# Allegro board 6089-103-RevA_73.brd (continued)
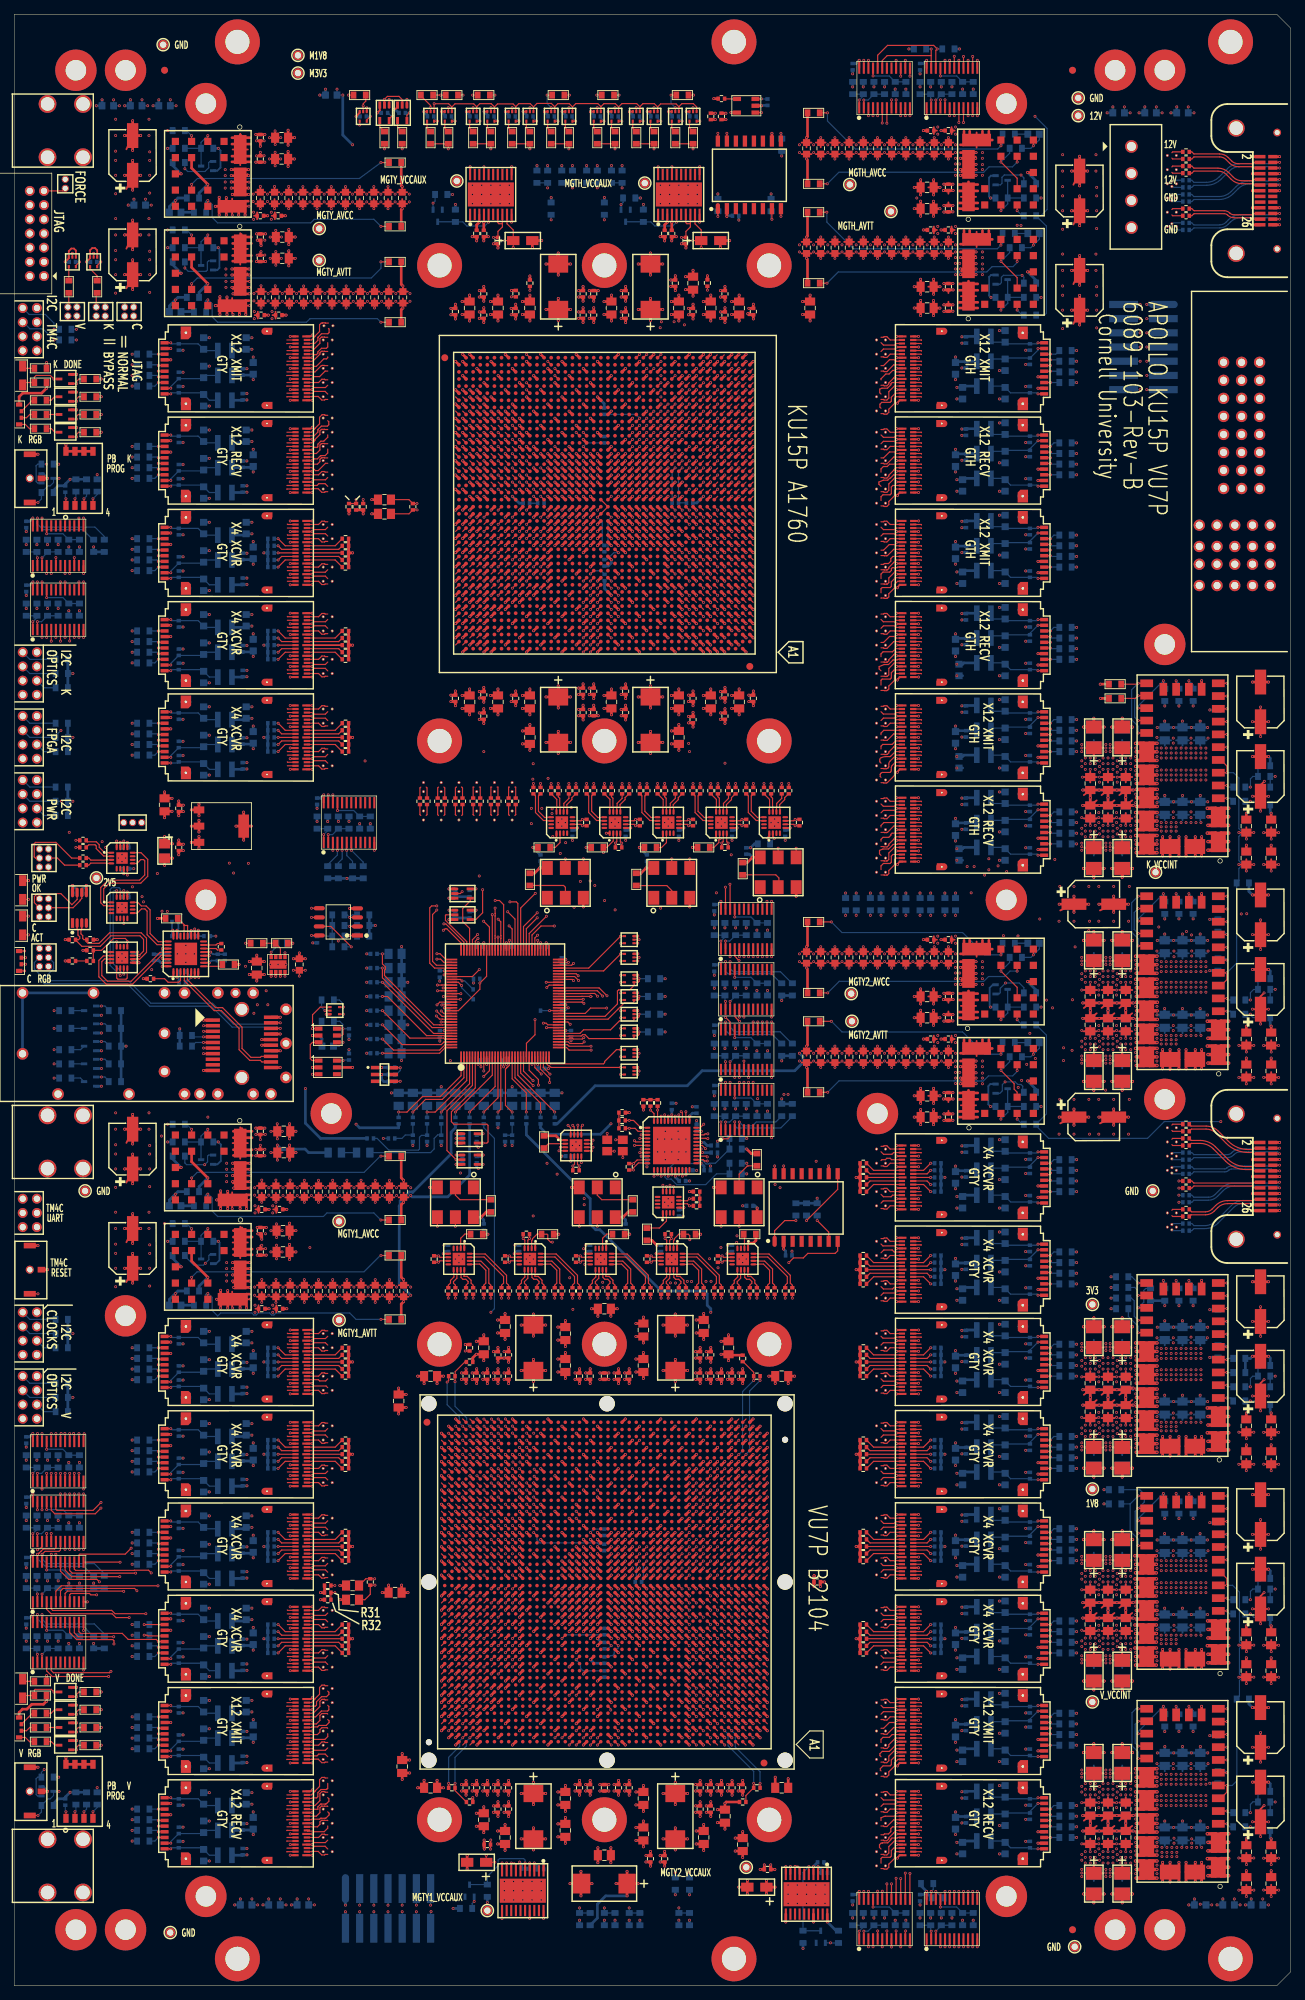
[diagram p0: board, top side]
## Routing (per net, layer and track width the routed paths; a pad name or vN(x,y) marks a point on that pad's centre or on a via; arc(x,y) is an arc through that point) (continued)
NK_FF3_XMIT2: length 35.5
  TOP w0.165: 127.9,229.85 127.85,229.9 U104.B14 ; U65.AR7 98.17,222.87
  SIG3 w0.083: 127.9,229.85 127.69,230.06 124.58,230.06 arc(124.13,229.97) 123.74,229.71 123.21,229.17 arc(122.75,228.87) 122.21,228.76 119.07,228.76 arc(119.04,228.75) 119.03,228.72 arc(119.02,228.68) 118.98,228.67 118.74,228.67 arc(118.71,228.68) 118.7,228.72 arc(118.69,228.75) 118.66,228.76 118.41,228.76 arc(118.38,228.75) 118.37,228.72 arc(118.36,228.68) 118.33,228.67 118.08,228.67 arc(118.05,228.68) 118.04,228.72 arc(118.03,228.75) 118,228.76 117.75,228.76 arc(117.72,228.75) 117.71,228.72 arc(117.7,228.68) 117.67,228.67 117.42,228.67 arc(117.39,228.68) 117.38,228.72 arc(117.37,228.75) 117.33,228.76 114.1,228.76 arc(112.36,228.41) 110.89,227.43 107.65,224.2 arc(106.68,223.55) 105.54,223.32 97.9,223.32 arc(97.86,223.31) 97.84,223.29 97.8,223.26 arc(97.78,223.23) 97.78,223.2 97.78,222.96 97.86,222.87 98.17,222.87
NK_FF3_XMIT3: length 34.8
  TOP w0.165: U104.A14 123.49,229.9 123.03,229.44 122.64,229.44 122.56,229.52 122.2,229.52 ; U65.AP9 96.17,221.87
  SIG1 w0.083: 122.2,229.52 121.53,229.52 arc(121.43,229.54) 121.35,229.59 121.2,229.74 arc(121.13,229.78) 121.06,229.8 120.44,229.8 arc(120.4,229.79) 120.36,229.77 118.42,227.82 arc(118.39,227.76) 118.42,227.7 arc(118.44,227.64) 118.42,227.58 118.31,227.47 arc(118.25,227.44) 118.19,227.47 arc(118.13,227.49) 118.06,227.47 117.95,227.36 arc(117.93,227.3) 117.95,227.24 arc(117.98,227.18) 117.95,227.12 117.84,227 arc(117.78,226.98) 117.72,227 arc(117.66,227.03) 117.6,227 114.22,223.63 arc(113.88,223.4) 113.48,223.32 96.03,223.32 arc(96,223.31) 95.97,223.29 95.88,223.2 arc(95.84,223.15) 95.83,223.09 95.83,222.19 96.15,221.87 96.17,221.87
NK_FF3_XMIT4: length 33.3
  TOP w0.165: 127.9,228.35 127.85,228.4 U104.B11 ; U65.AP5 100.17,221.87
  SIG3 w0.083: 127.9,228.35 127.75,228.5 124.84,228.5 arc(124.41,228.41) 124.05,228.17 123.06,227.18 arc(122.64,226.9) 122.15,226.8 119.28,226.8 arc(119.25,226.79) 119.23,226.75 arc(119.22,226.72) 119.18,226.7 118.95,226.7 arc(118.92,226.72) 118.9,226.75 arc(118.89,226.79) 118.85,226.8 118.62,226.8 arc(118.59,226.79) 118.57,226.75 arc(118.56,226.72) 118.52,226.7 118.29,226.7 arc(118.26,226.72) 118.24,226.75 arc(118.23,226.79) 118.19,226.8 117.96,226.8 arc(117.93,226.79) 117.91,226.75 arc(117.9,226.72) 117.86,226.7 117.63,226.7 arc(117.6,226.72) 117.58,226.75 arc(117.57,226.79) 117.53,226.8 113.91,226.8 arc(112.56,226.53) 111.41,225.77 108.78,223.13 arc(107.88,222.53) 106.82,222.32 99.9,222.32 arc(99.86,222.31) 99.84,222.29 99.8,222.26 arc(99.78,222.23) 99.78,222.2 99.78,221.96 99.86,221.87 100.17,221.87
NK_FF3_XMIT5: length 32.7
  TOP w0.165: U104.A11 123.99,228.4 123.03,227.44 122.64,227.44 122.56,227.52 122.2,227.52 ; U65.AN7 98.17,220.87
  SIG1 w0.083: 98.17,220.87 97.86,220.87 97.78,220.96 97.78,222.18 arc(97.79,222.22) 97.81,222.25 97.83,222.27 97.83,222.27 arc(97.88,222.31) 97.94,222.32 113.86,222.32 arc(114.83,222.51) 115.66,223.06 118.06,225.46 arc(118.1,225.48) 118.14,225.46 arc(118.19,225.44) 118.23,225.46 118.38,225.61 arc(118.39,225.65) 118.38,225.69 arc(118.36,225.74) 118.38,225.78 118.52,225.93 arc(118.57,225.94) 118.61,225.93 arc(118.65,225.91) 118.7,225.93 118.84,226.07 arc(118.86,226.12) 118.84,226.16 arc(118.82,226.2) 118.84,226.25 120.25,227.66 arc(120.42,227.77) 120.62,227.81 121,227.81 arc(121.12,227.79) 121.22,227.72 121.34,227.6 arc(121.43,227.54) 121.54,227.52 122.2,227.52
NK_FF3_XMIT6: length 37.7
  TOP w0.165: 127.9,226.85 127.85,226.9 U104.B8 ; U65.AM9 96.17,219.87
  SIG3 w0.083: 96.17,219.87 95.86,219.87 95.78,219.96 95.78,220.1 arc(95.78,220.13) 95.8,220.16 95.84,220.2 arc(95.86,220.21) 95.9,220.22 98.16,220.22 arc(98.35,220.26) 98.52,220.37 98.59,220.44 arc(98.69,220.59) 98.73,220.78 98.73,220.98 arc(98.74,221.03) 98.76,221.06 98.92,221.22 arc(99.01,221.28) 99.12,221.3 107.84,221.3 arc(108.98,221.53) 109.94,222.17 111.84,224.07 arc(112.62,224.59) 113.54,224.78 117.11,224.78 arc(117.15,224.76) 117.16,224.73 arc(117.18,224.69) 117.22,224.68 117.44,224.68 arc(117.48,224.69) 117.49,224.73 arc(117.51,224.76) 117.55,224.78 117.77,224.78 arc(117.81,224.76) 117.82,224.73 arc(117.84,224.69) 117.88,224.68 118.1,224.68 arc(118.14,224.69) 118.15,224.73 arc(118.17,224.76) 118.21,224.78 118.43,224.78 arc(118.47,224.76) 118.48,224.73 arc(118.5,224.69) 118.54,224.68 118.76,224.68 arc(118.8,224.69) 118.81,224.73 arc(118.83,224.76) 118.87,224.78 122.8,224.78 arc(123.57,224.93) 124.23,225.37 125.52,226.66 arc(125.91,226.92) 126.37,227.01 127.74,227.01 127.9,226.85
NK_FF3_XMIT7: length 30
  TOP w0.165: U104.A8 124.35,226.9 124.24,226.79 124.23,226.79 124,226.56 124,226.55 123.3,225.85 123.3,225.71 123.03,225.44 122.64,225.44 122.56,225.52 122.2,225.52 ; U65.AM5 100.17,219.87
  SIG1 w0.083: 100.17,219.87 99.86,219.87 99.78,219.96 99.78,220.1 arc(99.78,220.13) 99.8,220.16 99.84,220.2 arc(99.86,220.21) 99.9,220.22 114.29,220.22 arc(114.78,220.32) 115.19,220.59 117.81,223.21 arc(117.86,223.23) 117.91,223.21 arc(117.95,223.19) 118,223.21 118.14,223.35 arc(118.16,223.4) 118.14,223.45 118.14,223.45 arc(118.12,223.49) 118.14,223.54 118.28,223.68 arc(118.32,223.7) 118.37,223.68 arc(118.42,223.66) 118.47,223.68 118.61,223.82 arc(118.63,223.87) 118.61,223.91 arc(118.59,223.96) 118.61,224.01 120.18,225.58 arc(120.41,225.74) 120.69,225.8 120.97,225.8 arc(121.13,225.76) 121.26,225.67 121.31,225.62 arc(121.42,225.55) 121.54,225.53 122.19,225.53 122.2,225.52
NK_FF3_XMIT8: length 35.3
  TOP w0.165: U65.AL7 98.17,218.87 ; 127.9,225.35 127.85,225.4 U104.B5
  SIG3 w0.083: 98.17,218.87 97.86,218.87 97.78,218.96 97.78,219.1 arc(97.78,219.13) 97.8,219.16 97.84,219.2 arc(97.86,219.21) 97.9,219.22 107.44,219.22 arc(108.98,219.53) 110.3,220.4 111.72,221.83 arc(112.82,222.56) 114.12,222.82 117.45,222.82 arc(117.5,222.8) 117.52,222.76 arc(117.53,222.72) 117.58,222.7 117.78,222.7 arc(117.83,222.72) 117.85,222.76 arc(117.86,222.8) 117.91,222.82 118.11,222.82 arc(118.16,222.8) 118.18,222.76 arc(118.19,222.72) 118.24,222.7 118.44,222.7 arc(118.49,222.72) 118.51,222.76 arc(118.52,222.8) 118.57,222.82 118.77,222.82 arc(118.82,222.8) 118.84,222.76 arc(118.85,222.72) 118.9,222.7 119.1,222.7 arc(119.15,222.72) 119.17,222.76 arc(119.18,222.8) 119.23,222.82 122.44,222.82 arc(123.05,222.94) 123.56,223.29 125.4,225.12 arc(125.83,225.41) 126.34,225.51 127.74,225.51 127.9,225.35
NK_FF3_XMIT9: length 30.8
  TOP w0.165: 122.2,223.52 122.56,223.52 122.64,223.44 123.03,223.44 123.3,223.71 123.3,224.62 124.08,225.4 U104.A5 ; U65.AK5 100.17,217.87
  SIG1 w0.083: 100.17,217.87 99.86,217.87 99.78,217.96 99.78,218.1 arc(99.78,218.13) 99.8,218.16 99.84,218.2 arc(99.86,218.21) 99.9,218.22 114.19,218.22 arc(114.68,218.32) 115.09,218.59 117.58,221.08 arc(117.63,221.1) 117.68,221.08 arc(117.74,221.06) 117.79,221.08 117.92,221.2 arc(117.94,221.26) 117.92,221.31 arc(117.9,221.37) 117.92,221.42 118.04,221.55 arc(118.1,221.57) 118.15,221.55 arc(118.2,221.52) 118.26,221.55 118.38,221.67 arc(118.41,221.73) 118.38,221.78 arc(118.36,221.83) 118.38,221.89 120.14,223.64 arc(120.36,223.79) 120.63,223.85 120.92,223.85 arc(121.08,223.81) 121.22,223.72 121.34,223.6 arc(121.42,223.55) 121.52,223.53 122.19,223.53 122.2,223.52
NK_FF3_XMIT10: length 35.4
  TOP w0.165: 127.9,223.85 127.85,223.9 U104.B2 ; U65.AJ7 98.17,216.87
  SIG3 w0.083: 98.17,216.87 97.86,216.87 97.78,216.96 97.78,217.08 arc(97.79,217.13) 97.82,217.18 97.84,217.2 arc(97.86,217.21) 97.9,217.22 108.19,217.22 arc(109.72,217.53) 111.02,218.4 112.45,219.82 arc(113.27,220.37) 114.25,220.56 117.85,220.56 arc(117.88,220.55) 117.89,220.52 arc(117.91,220.49) 117.94,220.47 118.18,220.47 arc(118.21,220.49) 118.22,220.52 arc(118.24,220.55) 118.27,220.56 118.51,220.56 arc(118.54,220.55) 118.55,220.52 arc(118.57,220.49) 118.6,220.47 118.84,220.47 arc(118.87,220.49) 118.88,220.52 arc(118.9,220.55) 118.93,220.56 119.17,220.56 arc(119.2,220.55) 119.21,220.52 arc(119.23,220.49) 119.26,220.47 119.5,220.47 arc(119.53,220.49) 119.54,220.52 arc(119.56,220.55) 119.59,220.56 122.31,220.56 arc(123.18,220.74) 123.91,221.23 126.56,223.87 arc(126.71,223.98) 126.89,224.01 127.74,224.01 127.9,223.85
NK_FF3_XMIT11: length 30.9
  TOP w0.165: U104.A2 124.32,223.9 124.1,223.68 124.1,223.22 124.1,222.95 123.3,222.15 123.3,221.71 123.03,221.44 122.64,221.44 122.56,221.52 122.2,221.52 ; U65.AH5 100.17,215.87
  SIG1 w0.083: 100.17,215.87 99.86,215.87 arc(99.75,215.95) 99.78,216.07 99.89,216.19 arc(99.93,216.21) 99.97,216.22 101.03,216.22 102.03,216.22 104.17,216.22 arc(104.86,216.23) 105.55,216.24 112.87,216.24 arc(113.8,216.3) 114.71,216.51 arc(114.76,216.52) 114.81,216.54 114.93,216.59 arc(115.42,216.85) 115.86,217.21 117.91,219.27 arc(117.95,219.28) 117.99,219.27 arc(118.03,219.25) 118.07,219.27 118.22,219.42 arc(118.24,219.46) 118.22,219.5 arc(118.21,219.54) 118.22,219.58 118.38,219.73 arc(118.42,219.75) 118.46,219.73 arc(118.49,219.72) 118.53,219.73 118.69,219.89 arc(118.71,219.93) 118.69,219.97 arc(118.67,220) 118.69,220.04 120.32,221.67 arc(120.48,221.78) 120.67,221.82 120.89,221.82 arc(121.07,221.78) 121.23,221.68 121.27,221.64 arc(121.4,221.55) 121.56,221.52 122.2,221.52
NK_FF4_RECV0: length 38
  TOP w0.165: U65.H42 62.23,194.93 ; U24.B18 38.51,171.9
  SIG1 w0.083: 62.23,194.93 62.54,194.93 62.62,195.01 62.62,195.28 arc(62.6,195.34) 62.54,195.37 61.38,195.37 arc(61.34,195.36) 61.3,195.35 arc(61.18,195.3) 61.07,195.22 49.51,183.66 arc(49.49,183.6) 49.51,183.55 arc(49.53,183.49) 49.51,183.44 49.39,183.32 arc(49.33,183.29) 49.28,183.32 arc(49.22,183.34) 49.16,183.32 49.04,183.19 arc(49.02,183.14) 49.04,183.08 arc(49.07,183.03) 49.04,182.97 48.92,182.85 arc(48.86,182.83) 48.81,182.85 arc(48.75,182.87) 48.7,182.85 46.66,180.81 arc(46.28,180.25) 46.15,179.58 46.15,178.48 arc(46,177.74) 45.58,177.11 41.11,172.63 arc(40.48,172.22) 39.75,172.07 38.68,172.07 38.51,171.9
NK_FF4_RECV1: length 38.8
  TOP w0.165: U24.A18 42.91,171.9 43.37,171.44 43.76,171.44 43.84,171.52 44.2,171.52 ; U65.G40 64.23,193.93
  SIG1 w0.083: 64.23,193.93 64.54,193.93 64.62,194.01 64.62,194.29 arc(64.6,194.34) 64.54,194.37 62.17,194.37 arc(61.77,194.27) 61.44,194.04 50.84,183.44 arc(50.82,183.39) 50.84,183.34 arc(50.87,183.29) 50.84,183.23 50.72,183.1 arc(50.66,183.08) 50.61,183.1 arc(50.56,183.13) 50.51,183.1 50.38,182.98 arc(50.36,182.92) 50.38,182.87 arc(50.4,182.82) 50.38,182.77 50.25,182.64 arc(50.2,182.62) 50.14,182.64 arc(50.09,182.66) 50.04,182.64 47.61,180.21 arc(47.19,179.59) 47.05,178.86 47.05,172.96 arc(46.97,172.54) 46.73,172.19 46.57,172.03 arc(46.32,171.86) 46.02,171.8 45.35,171.8 45.07,171.52 44.2,171.52
NK_FF4_RECV2: length 35.4
  TOP w0.165: U65.F42 62.23,192.93 ; U24.B15 38.51,173.4
  SIG2 w0.083: 62.23,192.93 62.24,192.91 62.7,192.91 62.7,193.18 arc(62.68,193.25) 62.65,193.3 arc(62.57,193.35) 62.49,193.37 62.19,193.37 arc(61.99,193.33) 61.82,193.22 61.68,193.08 arc(61.55,192.88) 61.5,192.65 61.5,192.6 arc(61.45,192.35) 61.31,192.13 52.45,183.28 arc(52.44,183.24) 52.45,183.2 arc(52.47,183.15) 52.45,183.11 52.3,182.96 arc(52.26,182.95) 52.22,182.96 arc(52.18,182.98) 52.14,182.96 51.99,182.81 arc(51.97,182.77) 51.99,182.73 arc(52,182.69) 51.99,182.65 51.83,182.5 arc(51.79,182.48) 51.75,182.5 arc(51.71,182.51) 51.67,182.5 45.23,176.05 arc(44.27,175.41) 43.13,175.18 42.74,175.18 arc(42.22,175.08) 41.79,174.79 41.1,174.1 arc(40.47,173.68) 39.72,173.53 38.64,173.53 38.51,173.4
NK_FF4_RECV3: length 34.6
  TOP w0.165: U24.A15 42.06,173.4 42.28,173.18 43.86,173.18 44.2,173.52 ; U65.E40 64.23,191.93
  SIG4 w0.083: 44.2,173.52 44.81,173.52 arc(44.99,173.55) 45.14,173.66 45.23,173.74 arc(45.32,173.81) 45.44,173.83 45.78,173.83 arc(46.16,173.9) 46.5,174.11 arc(46.54,174.15) 46.58,174.2 arc(46.79,174.56) 46.9,174.97 arc(46.91,175.02) 46.91,175.08 46.91,176.97 arc(47.03,177.59) 47.39,178.12 52.29,183.03 arc(52.35,183.05) 52.41,183.03 arc(52.46,183) 52.52,183.02 52.64,183.15 arc(52.66,183.2) 52.64,183.26 arc(52.62,183.31) 52.64,183.37 52.76,183.49 arc(52.82,183.51) 52.87,183.49 arc(52.93,183.47) 52.98,183.49 53.11,183.61 arc(53.13,183.67) 53.11,183.73 arc(53.08,183.78) 53.11,183.84 61.16,191.89 arc(61.52,192.14) 61.94,192.26 arc(62.01,192.27) 62.08,192.27 62.37,192.27 62.37,192.27 63.08,192.27 63.08,192.27 63.37,192.27 63.37,192.27 64.54,192.27 arc(64.6,192.24) 64.62,192.19 64.62,192.01 64.54,191.93 64.23,191.93
NK_FF4_XMIT0: length 39.2
  TOP w0.165: U24.A2 42.91,179.9 43.37,180.36 43.76,180.36 43.84,180.28 44.2,180.28 ; U65.P37 67.23,200.93
  SIG2 w0.083: 67.23,200.93 67.61,200.93 arc(67.66,200.9) 67.69,200.84 67.69,200.66 arc(67.66,200.6) 67.61,200.58 66.03,200.58 arc(65.92,200.56) 65.82,200.49 65.8,200.47 arc(65.7,200.33) 65.67,200.16 65.67,198.09 arc(65.63,197.9) 65.52,197.73 65.47,197.68 arc(65.36,197.61) 65.23,197.58 62.4,197.58 arc(61.51,197.4) 60.75,196.9 50.12,186.27 arc(50.08,186.25) 50.04,186.27 arc(50,186.29) 49.95,186.27 49.81,186.12 arc(49.79,186.08) 49.81,186.04 arc(49.82,185.99) 49.81,185.95 49.66,185.8 arc(49.61,185.79) 49.57,185.8 arc(49.53,185.82) 49.49,185.8 49.34,185.65 arc(49.32,185.61) 49.34,185.57 arc(49.36,185.53) 49.34,185.49 47.07,183.22 arc(46.81,182.82) 46.71,182.36 46.71,181.33 arc(46.65,181.02) 46.47,180.75 45.9,180.18 arc(45.71,180.05) 45.48,180 45.39,180 arc(45.29,180.02) 45.2,180.08 45.07,180.21 arc(45,180.26) 44.91,180.28 44.2,180.28
NK_FF4_XMIT1: length 42.5
  TOP w0.165: U65.N35 69.23,199.93 ; U24.B2 38.55,179.9 38.5,179.95
  SIG4 w0.083: 38.5,179.95 38.51,179.95 38.64,179.82 39.86,179.82 arc(40.39,179.93) 40.85,180.23 43.98,183.37 arc(44.69,183.84) 45.51,184 46.42,184 arc(46.97,184.11) 47.44,184.43 49.04,186.04 arc(49.07,186.09) 49.04,186.15 arc(49.02,186.2) 49.04,186.26 49.17,186.38 arc(49.22,186.4) 49.28,186.38 arc(49.33,186.36) 49.39,186.38 49.51,186.5 arc(49.53,186.56) 49.51,186.61 49.51,186.61 arc(49.49,186.67) 49.51,186.72 49.63,186.85 arc(49.69,186.87) 49.74,186.85 arc(49.8,186.82) 49.85,186.85 60.98,197.97 arc(61.63,198.4) 62.39,198.55 69.5,198.55 arc(69.59,198.59) 69.62,198.68 69.62,199.84 69.54,199.93 69.23,199.93
NK_FF4_XMIT2: length 39.2
  TOP w0.165: U65.M37 67.23,198.93 ; U24.A5 42.06,178.4 42.27,178.61 43.87,178.61 44.2,178.28
  SIG2 w0.083: 67.23,198.93 67.52,198.93 67.6,198.85 arc(67.64,198.79) 67.66,198.73 arc(67.67,198.7) 67.67,198.68 67.67,196.08 arc(67.63,195.88) 67.52,195.71 67.49,195.69 arc(67.37,195.61) 67.23,195.58 62.38,195.58 arc(61.6,195.42) 60.93,194.98 51.12,185.17 arc(51.08,185.15) 51.04,185.17 arc(50.99,185.19) 50.95,185.17 50.8,185.02 arc(50.79,184.98) 50.8,184.94 arc(50.82,184.89) 50.8,184.85 50.66,184.7 arc(50.61,184.69) 50.57,184.7 arc(50.53,184.72) 50.48,184.7 50.34,184.56 arc(50.32,184.51) 50.34,184.47 arc(50.36,184.43) 50.34,184.38 47.98,182.02 arc(47.76,181.71) 47.69,181.33 47.69,180.4 arc(47.62,180.07) 47.44,179.79 45.77,178.12 arc(45.67,178.05) 45.54,178.02 arc(45.36,178.06) 45.21,178.17 arc(45.09,178.25) 44.94,178.28 44.2,178.28
NK_FF4_XMIT3: length 42.7
  TOP w0.165: U65.L35 69.23,197.93 ; U24.B5 38.55,178.4 38.5,178.45
  SIG4 w0.083: 69.23,197.93 69.54,197.93 69.66,197.8 69.66,196.68 arc(69.65,196.62) 69.62,196.56 arc(69.57,196.53) 69.51,196.52 62.36,196.52 arc(62.13,196.5) 61.92,196.43 61.37,196.21 arc(61.18,196.11) 61.01,195.97 51.4,186.36 arc(51.35,186.34) 51.31,186.36 arc(51.26,186.38) 51.22,186.36 51.07,186.22 arc(51.05,186.17) 51.07,186.13 arc(51.09,186.08) 51.07,186.03 50.93,185.89 arc(50.89,185.87) 50.84,185.89 arc(50.79,185.91) 50.75,185.89 50.61,185.75 arc(50.59,185.7) 50.61,185.66 arc(50.63,185.61) 50.61,185.57 48.73,183.69 arc(48.47,183.31) 48.35,182.86 arc(48.22,182.4) 47.94,182.01 45.39,179.46 arc(44.95,179.17) 44.44,179.07 43.6,179.07 arc(43.07,178.97) 42.61,178.67 arc(42.56,178.63) 42.51,178.6 arc(42.19,178.43) 41.85,178.33 arc(41.81,178.33) 41.77,178.32 38.64,178.32 38.51,178.45 38.5,178.45
NK_FF5_RECV0: length 32.7
  TOP w0.165: U23.B18 38.51,184.9 ; U65.M42 62.23,198.93
  SIG2 w0.083: 38.51,184.9 38.68,185.07 42.15,185.07 arc(42.63,185.17) 43.04,185.44 43.22,185.62 arc(43.53,185.83) 43.89,185.9 44.46,185.9 46.02,185.9 arc(46.79,186.05) 47.45,186.49 48.86,187.91 arc(48.91,187.93) 48.96,187.91 arc(49.01,187.89) 49.05,187.91 49.19,188.05 arc(49.21,188.1) 49.19,188.14 arc(49.17,188.19) 49.19,188.24 49.33,188.38 arc(49.38,188.4) 49.43,188.38 arc(49.47,188.36) 49.52,188.38 49.66,188.52 arc(49.68,188.56) 49.66,188.61 49.66,188.61 arc(49.64,188.66) 49.66,188.7 59.69,198.74 arc(60.38,199.2) 61.2,199.36 62.53,199.36 arc(62.57,199.35) 62.59,199.34 62.63,199.3 arc(62.65,199.27) 62.65,199.24 62.65,199.01 arc(62.63,198.95) 62.57,198.93 62.23,198.93
NK_FF5_RECV1: length 30.8
  TOP w0.165: U65.L40 64.23,197.93 ; 44.2,184.52 43.84,184.52 43.76,184.44 43.37,184.44 42.91,184.9 U23.A18
  SIG2 w0.083: 64.23,197.93 64.54,197.93 64.62,198.01 64.62,198.21 arc(64.6,198.26) 64.54,198.29 61.62,198.29 arc(61.58,198.29) 61.54,198.28 arc(60.81,198.07) 60.2,197.63 51.62,189.05 arc(51.59,188.99) 51.62,188.93 arc(51.64,188.87) 51.62,188.81 51.5,188.7 arc(51.44,188.68) 51.38,188.7 arc(51.32,188.73) 51.26,188.7 51.15,188.59 arc(51.13,188.53) 51.15,188.47 arc(51.18,188.41) 51.15,188.35 51.04,188.23 arc(50.98,188.21) 50.92,188.23 arc(50.86,188.26) 50.8,188.23 48.11,185.55 arc(47.24,184.97) 46.21,184.76 45.6,184.76 arc(45.46,184.73) 45.33,184.66 arc(45.3,184.63) 45.26,184.61 arc(45.17,184.56) 45.06,184.53 arc(45.02,184.52) 44.98,184.52 44.2,184.52
NK_FF5_RECV2: length 31.2
  TOP w0.165: U65.K42 62.23,196.93 ; U23.B15 38.51,186.4
  SIG1 w0.083: 38.51,186.4 38.68,186.57 39.99,186.57 arc(40.57,186.69) 41.06,187.01 41.71,187.66 arc(42.14,187.95) 42.65,188.05 48.38,188.05 arc(49.87,188.35) 51.14,189.19 55.17,193.22 arc(55.22,193.24) 55.28,193.22 arc(55.34,193.2) 55.39,193.22 55.51,193.34 arc(55.54,193.4) 55.51,193.45 arc(55.49,193.51) 55.51,193.57 55.64,193.69 arc(55.69,193.71) 55.75,193.69 arc(55.8,193.66) 55.86,193.69 55.98,193.81 arc(56,193.87) 55.98,193.92 arc(55.96,193.98) 55.98,194.03 58.86,196.91 arc(59.35,197.24) 59.93,197.37 62.49,197.37 arc(62.54,197.36) 62.58,197.33 arc(62.61,197.28) 62.62,197.22 62.62,197.01 62.54,196.93 62.23,196.93
NK_FF5_RECV3: length 29.2
  TOP w0.165: U23.A15 42.06,186.4 42.28,186.18 43.86,186.18 44.2,186.52 ; U65.J40 64.23,195.93
  SIG1 w0.083: 64.23,195.93 64.54,195.93 64.62,196.01 64.62,196.28 arc(64.6,196.33) 64.54,196.36 60.82,196.36 arc(60.78,196.36) 60.74,196.35 arc(60.34,196.22) 60,195.97 56.84,192.81 arc(56.82,192.75) 56.84,192.7 arc(56.87,192.64) 56.84,192.59 56.72,192.46 arc(56.67,192.44) 56.61,192.46 56.61,192.46 arc(56.56,192.49) 56.5,192.46 56.38,192.34 arc(56.35,192.29) 56.38,192.23 arc(56.4,192.18) 56.38,192.12 56.26,192 arc(56.2,191.97) 56.14,192 arc(56.09,192.02) 56.03,192 51.88,187.84 arc(50.67,187.03) 49.24,186.75 45.5,186.75 45.27,186.52 44.2,186.52
NK_FF5_XMIT0: length 34.6
  TOP w0.165: U23.A2 42.91,192.9 43.37,193.36 43.76,193.36 43.84,193.28 44.2,193.28 ; U65.U35 69.23,203.93
  SIG3 w0.083: 44.2,193.28 45.05,193.28 arc(45.21,193.25) 45.36,193.15 arc(45.52,193.05) 45.7,193.01 45.97,193.01 arc(46.17,193.05) 46.34,193.16 49.38,196.21 arc(49.41,196.26) 49.38,196.31 arc(49.36,196.36) 49.38,196.41 49.52,196.54 arc(49.57,196.56) 49.62,196.54 arc(49.67,196.52) 49.72,196.54 49.85,196.67 arc(49.87,196.72) 49.85,196.77 49.85,196.77 arc(49.83,196.82) 49.85,196.87 49.98,197.01 arc(50.03,197.03) 50.08,197.01 arc(50.13,196.99) 50.19,197.01 56.01,202.83 arc(56.73,203.31) 57.58,203.48 69.5,203.48 arc(69.58,203.52) 69.62,203.61 69.62,203.84 69.54,203.93 69.23,203.93
NK_FF5_XMIT1: length 36.8
  TOP w0.165: U23.B2 38.55,192.9 38.5,192.95 ; U65.T37 67.23,202.93
  SIG1 w0.083: 38.5,192.95 38.51,192.95 38.68,192.78 41.72,192.78 arc(42.16,192.69) 42.53,192.44 42.65,192.32 arc(42.94,192.13) 43.28,192.06 49.94,192.06 arc(51.71,192.41) 53.21,193.41 54.68,194.89 arc(54.7,194.94) 54.68,194.98 arc(54.66,195.03) 54.68,195.08 54.82,195.22 arc(54.87,195.24) 54.91,195.22 arc(54.96,195.2) 55.01,195.22 55.15,195.36 arc(55.17,195.4) 55.15,195.45 arc(55.13,195.5) 55.15,195.54 55.29,195.68 arc(55.33,195.7) 55.38,195.68 arc(55.43,195.66) 55.48,195.68 60.84,201.05 arc(61.35,201.39) 61.95,201.51 67.28,201.51 arc(67.4,201.53) 67.51,201.6 67.58,201.68 arc(67.62,201.74) 67.64,201.82 67.64,202.79 arc(67.63,202.82) 67.62,202.85 67.57,202.9 arc(67.54,202.92) 67.5,202.93 67.23,202.93
NK_FF5_XMIT2: length 30.6
  TOP w0.165: 44.2,191.28 43.86,191.62 42.28,191.62 42.06,191.4 U23.A5 ; U65.R39 65.23,201.93
  SIG3 w0.083: 44.2,191.28 44.99,191.28 arc(45.1,191.26) 45.19,191.2 45.27,191.11 arc(45.39,191.03) 45.54,191 45.58,191 arc(45.68,191.02) 45.75,191.07 50.17,195.49 arc(50.19,195.54) 50.17,195.6 arc(50.15,195.65) 50.17,195.7 50.3,195.83 arc(50.35,195.85) 50.4,195.83 arc(50.46,195.81) 50.51,195.83 50.64,195.96 arc(50.66,196.01) 50.64,196.06 arc(50.61,196.12) 50.64,196.17 50.76,196.3 arc(50.82,196.32) 50.87,196.3 arc(50.92,196.27) 50.98,196.3 55.4,200.72 arc(56.27,201.3) 57.3,201.51 65.49,201.51 arc(65.58,201.55) 65.62,201.64 65.62,201.84 65.54,201.93 65.23,201.93
NK_FF5_XMIT3: length 39.5
  TOP w0.165: U65.R35 69.23,201.93 ; 38.5,191.45 38.55,191.4 U23.B5
  SIG3 w0.083: 38.5,191.45 38.51,191.45 38.68,191.28 41.29,191.28 arc(41.91,191.15) 42.45,190.8 42.77,190.48 arc(43.25,190.15) 43.83,190.04 45.5,190.04 arc(46.14,190.17) 46.68,190.53 50.8,194.65 arc(50.83,194.7) 50.8,194.76 arc(50.78,194.81) 50.8,194.87 50.93,194.99 arc(50.98,195.01) 51.04,194.99 arc(51.09,194.97) 51.14,194.99 51.27,195.12 arc(51.29,195.17) 51.27,195.22 arc(51.25,195.28) 51.27,195.33 51.4,195.46 arc(51.45,195.48) 51.5,195.46 arc(51.56,195.44) 51.61,195.46 56.22,200.06 arc(56.79,200.45) 57.47,200.58 69.23,200.58 arc(69.36,200.61) 69.47,200.68 69.56,200.77 arc(69.6,200.84) 69.62,200.93 69.62,201.84 69.54,201.93 69.23,201.93
NK_FF6_RECV0: length 29.8
  TOP w0.165: U22.B18 38.51,197.9 ; U65.V42 62.23,204.93
  SIG1 w0.083: 38.51,197.9 38.73,198.1 arc(38.91,198.21) 39.12,198.25 39.34,198.25 arc(39.35,198.25) 39.36,198.25 39.39,198.24 arc(39.43,198.24) 39.48,198.24 42.32,198.24 arc(42.37,198.24) 42.41,198.24 42.47,198.25 arc(42.5,198.25) 42.53,198.25 42.56,198.25 arc(42.72,198.29) 42.88,198.34 42.9,198.35 arc(43.07,198.43) 43.22,198.53 43.23,198.53 arc(43.61,198.72) 44.03,198.8 48.2,198.8 arc(48.24,198.78) 48.26,198.73 arc(48.28,198.69) 48.33,198.67 48.53,198.67 arc(48.57,198.69) 48.59,198.73 arc(48.61,198.78) 48.66,198.8 48.86,198.8 arc(48.9,198.78) 48.92,198.73 arc(48.94,198.69) 48.99,198.67 49.19,198.67 arc(49.23,198.69) 49.25,198.73 arc(49.27,198.78) 49.32,198.8 54.07,198.8 arc(54.19,198.81) 54.3,198.85 54.52,198.94 arc(54.63,198.99) 54.72,199.07 60.71,205.06 arc(61.05,205.29) 61.47,205.37 62.47,205.37 arc(62.58,205.33) 62.62,205.22 62.62,205.01 62.54,204.93 62.23,204.93
NK_FF6_RECV1: length 25.5
  TOP w0.165: U22.A18 42.91,197.9 43.37,197.44 43.76,197.44 43.84,197.52 44.2,197.52 ; U65.T42 62.23,202.93
  SIG1 w0.083: 44.2,197.52 44.99,197.52 arc(45.11,197.54) 45.21,197.61 45.31,197.71 arc(45.46,197.81) 45.64,197.85 48.27,197.85 arc(48.31,197.83) 48.33,197.78 arc(48.36,197.73) 48.4,197.71 48.6,197.71 arc(48.64,197.73) 48.66,197.78 arc(48.69,197.83) 48.73,197.85 48.93,197.85 arc(48.97,197.83) 48.99,197.78 arc(49.02,197.73) 49.06,197.71 49.26,197.71 arc(49.3,197.73) 49.32,197.78 arc(49.35,197.83) 49.39,197.85 54.29,197.85 arc(55.22,198.04) 56.02,198.57 60.47,203.02 arc(60.86,203.28) 61.32,203.37 62.48,203.37 arc(62.58,203.33) 62.62,203.23 62.62,203.01 62.54,202.93 62.23,202.93
NK_FF6_RECV2: length 27.7
  TOP w0.165: U65.P42 62.23,200.93 ; U22.B15 38.51,199.4
  SIG2 w0.083: 38.51,199.4 38.68,199.57 42.09,199.57 arc(42.58,199.67) 42.99,199.94 43.98,200.93 arc(44.34,201.19) 44.76,201.33 arc(44.8,201.33) 44.85,201.33 50.05,201.33 arc(50.11,201.31) 50.14,201.24 arc(50.16,201.18) 50.23,201.15 50.38,201.15 arc(50.44,201.18) 50.47,201.24 arc(50.49,201.31) 50.56,201.33 50.71,201.33 arc(50.77,201.31) 50.8,201.24 arc(50.82,201.18) 50.89,201.15 51.04,201.15 arc(51.1,201.18) 51.13,201.24 arc(51.15,201.31) 51.22,201.33 62.51,201.33 arc(62.55,201.32) 62.58,201.3 arc(62.61,201.24) 62.62,201.18 62.62,201.01 62.54,200.93 62.23,200.93
NK_FF6_RECV3: length 25.5
  TOP w0.165: 44.2,199.52 43.86,199.18 42.28,199.18 42.06,199.4 U22.A15 ; U65.N40 64.23,199.93
  SIG4 w0.083: 64.23,199.93 64.54,199.93 64.62,200.01 64.62,200.26 arc(64.6,200.32) 64.54,200.34 58.96,200.34 arc(58.92,200.34) 58.88,200.33 arc(58.65,200.25) 58.46,200.11 58.41,200.06 arc(58.12,199.87) 57.78,199.8 50.81,199.8 arc(50.76,199.78) 50.74,199.73 arc(50.72,199.68) 50.68,199.66 50.48,199.66 arc(50.43,199.68) 50.41,199.73 arc(50.39,199.78) 50.35,199.8 50.15,199.8 arc(50.1,199.78) 50.08,199.73 arc(50.06,199.68) 50.02,199.66 49.82,199.66 arc(49.77,199.68) 49.75,199.73 arc(49.73,199.78) 49.69,199.8 45.74,199.8 arc(45.61,199.77) 45.5,199.7 45.44,199.64 arc(45.31,199.55) 45.15,199.52 44.2,199.52
NK_FF6_XMIT0: length 26.5
  TOP w0.165: 44.2,206.28 43.84,206.28 43.76,206.36 43.37,206.36 42.91,205.9 U22.A2 ; U65.W39 65.23,205.93
  SIG4 w0.083: 44.2,206.28 44.93,206.28 arc(45.1,206.25) 45.25,206.15 arc(45.47,206) 45.73,205.95 48.78,205.95 arc(48.82,205.97) 48.84,206.01 arc(48.86,206.06) 48.91,206.08 49.11,206.08 arc(49.15,206.06) 49.17,206.01 arc(49.19,205.97) 49.24,205.95 49.44,205.95 arc(49.48,205.97) 49.5,206.01 arc(49.52,206.06) 49.57,206.08 49.77,206.08 arc(49.81,206.06) 49.83,206.01 arc(49.85,205.97) 49.9,205.95 53.13,205.95 arc(53.4,205.9) 53.62,205.74 53.75,205.62 arc(53.9,205.52) 54.08,205.48 65.49,205.48 arc(65.58,205.52) 65.62,205.61 65.62,205.84 65.54,205.93 65.23,205.93